# Altium PCB PCB2EPS.PcbDoc (part 1 of 2)
Units mm, origin at the board's own origin, x right, y up, seen from the top; angles counter-clockwise.
Board outline 80 x 80 mm, 2 copper layers (Top Layer, Bottom Layer); 103 components, 76 nets, 428 pads, 277 vias.
Unrouted connection lines stored in the file: 3.
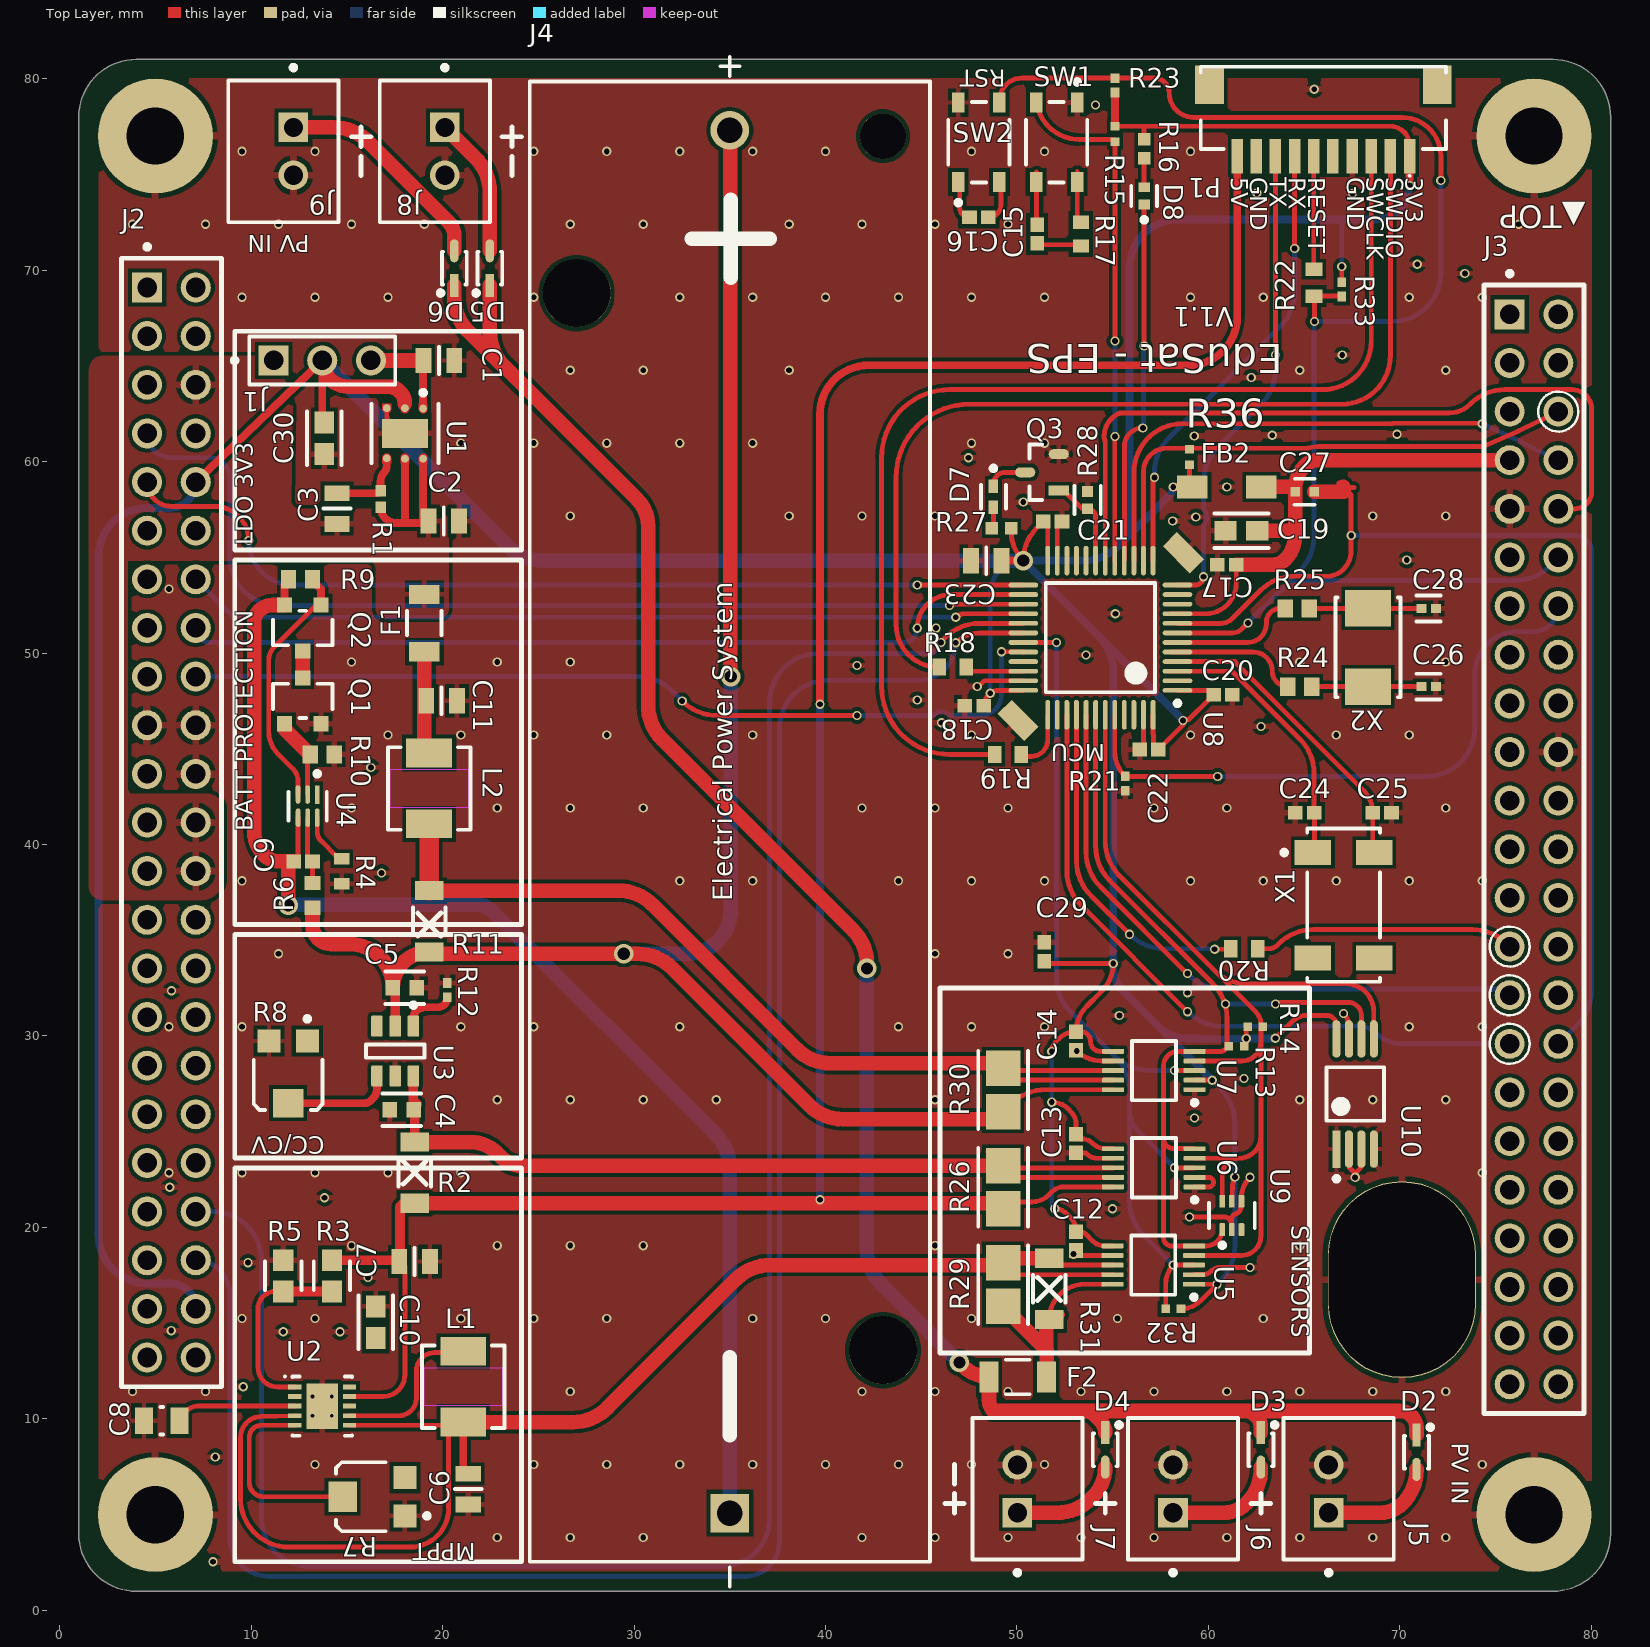
[diagram p0: Top Layer view]
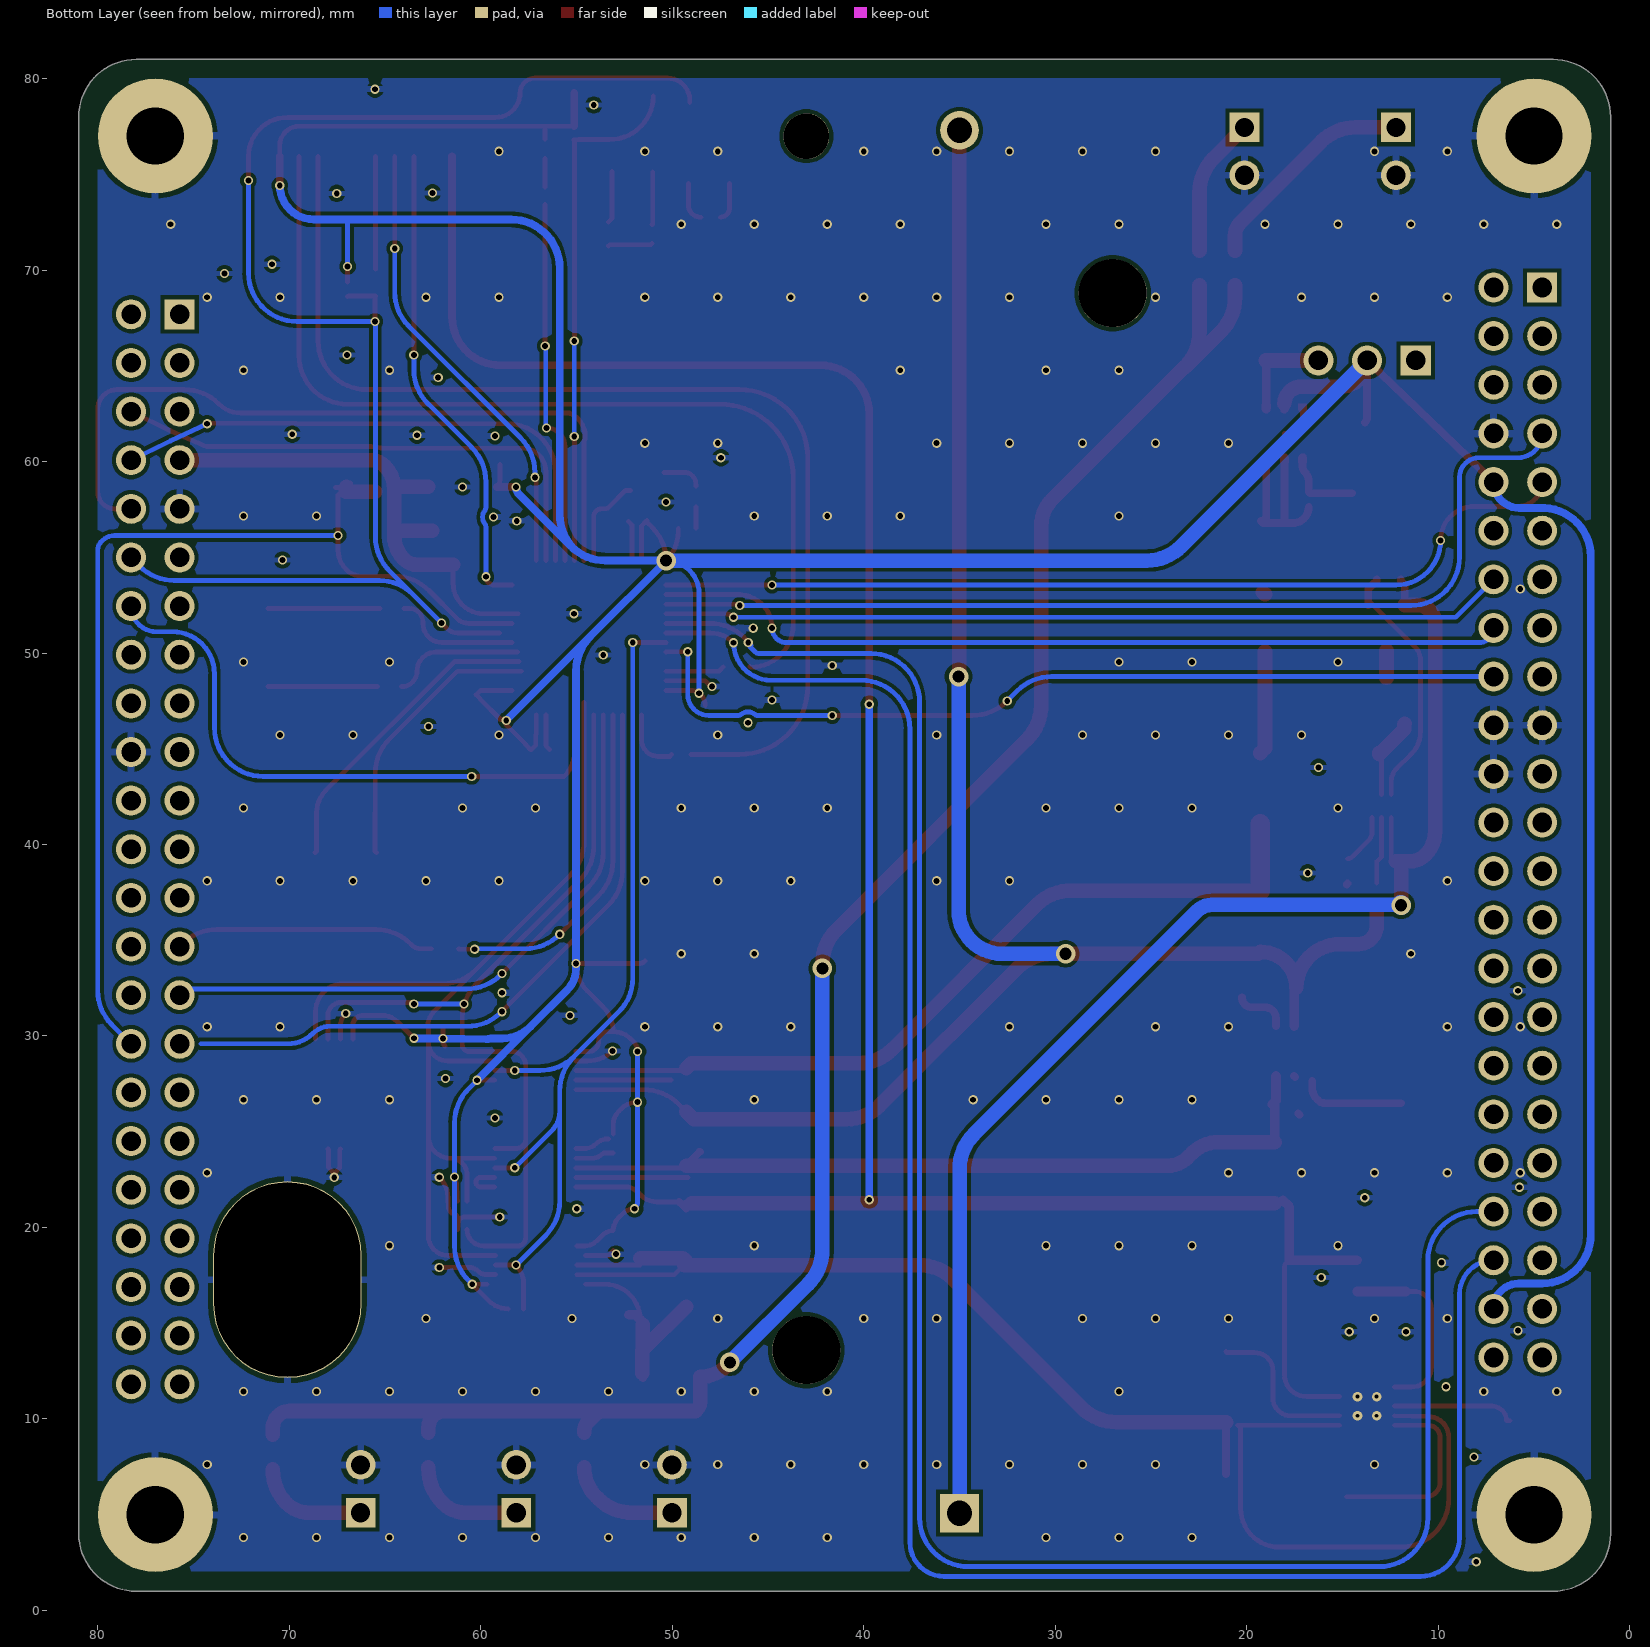
[diagram p1: Bottom Layer view, seen from below]
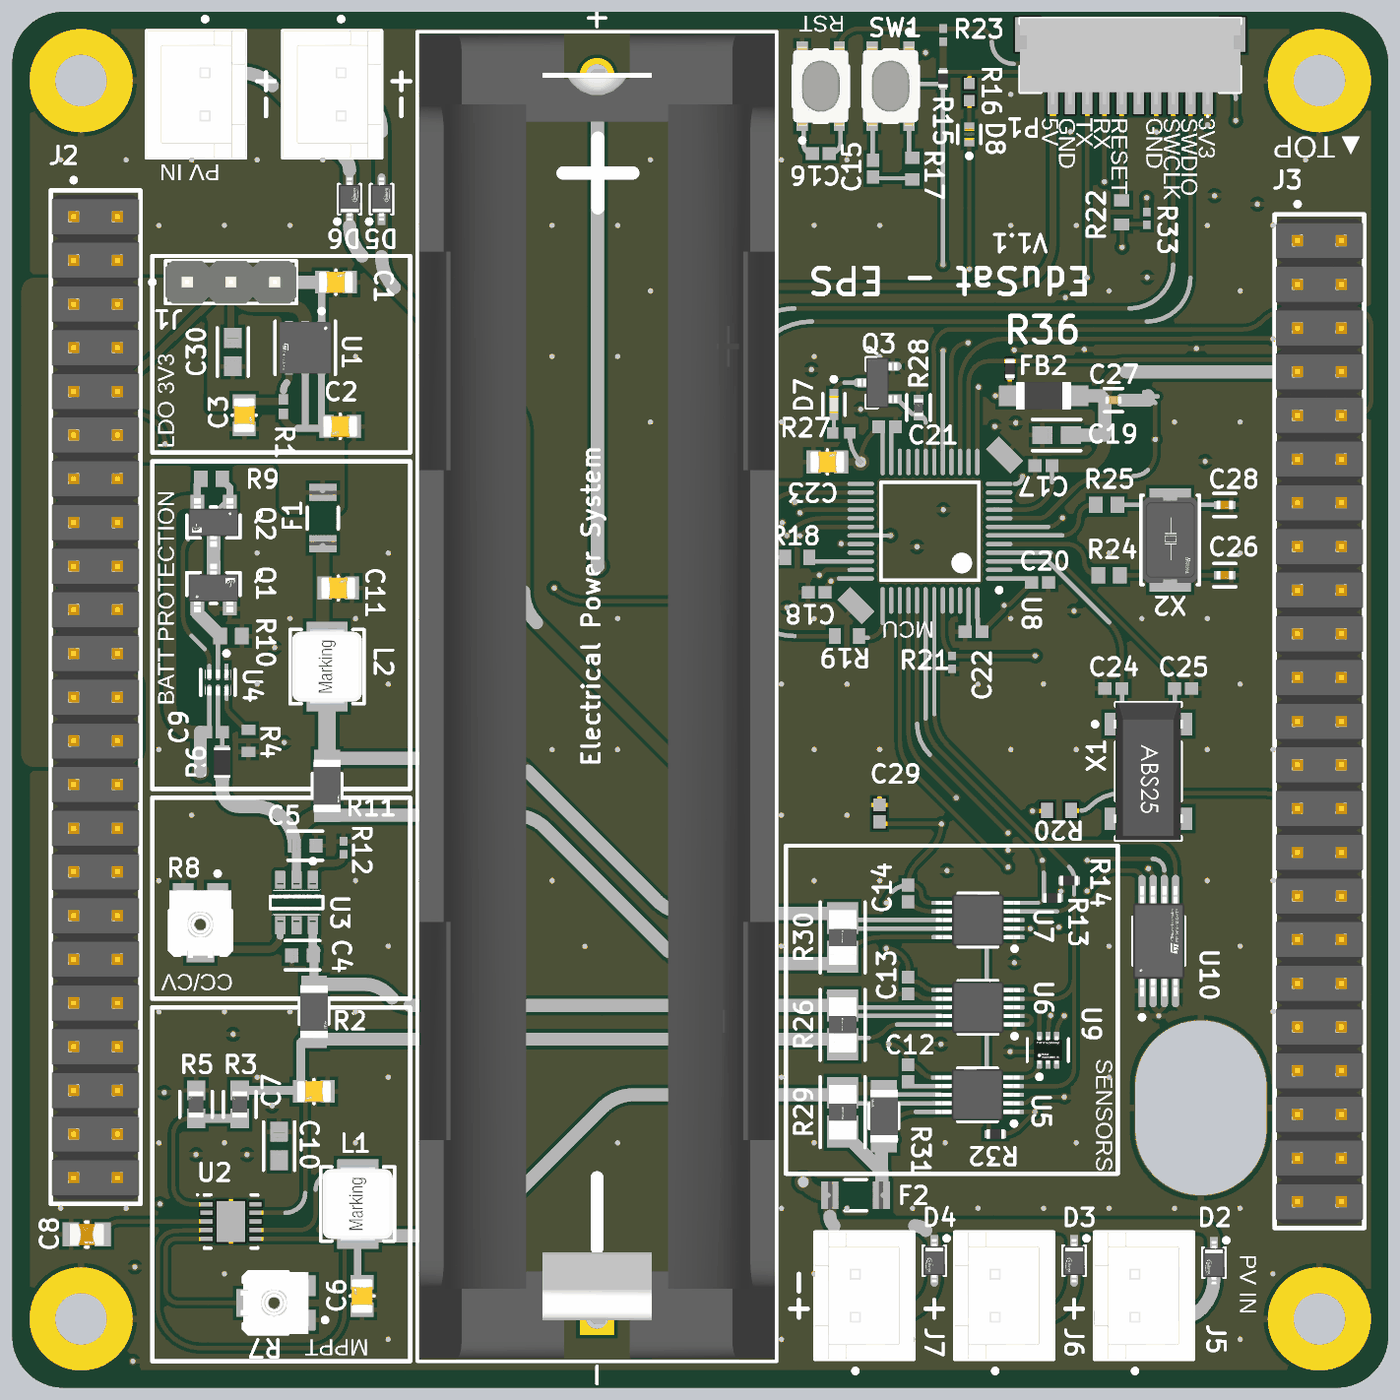
[diagram p3: 3D render of the assembled board from above, using the file's embedded part models]

## Layer stack, top to bottom
Top Solder: solder mask 0.0102, Solder Resist, Dk 3.5
Top Layer: signal copper 0.0356
Dielectric 1: dielectric 0.32, FR-4, Dk 4.8
Bottom Layer: signal copper 0.0356
Bottom Solder: solder mask 0.0102, Solder Resist, Dk 3.5

## Board outline
1,4 1,78 cw(c4,78) 4,81 78,81 cw(c78,78) 81,78 81,4 cw(c78,4) 78,1 4,1 cw(c4,4)

## Design rules (kind name [scope] priority, off if disabled: settings)
AssemblyTestPointUsage [All] p1: isadvanced=TRUE
AssemblyTestpoint [All] p1: isadvanced=TRUE testpointundercomponent=TRUE minsize=1.016 maxsize=2.54 preferedsize=1.524 minholesize=0 maxholesize=1.016 preferedholesize=0.813 testpointgrid=0.025 usegrid=TRUE gridtolerance=0 allowsidetop=TRUE allowsidebottom=TRUE
Clearance Clearance_1 [OnMid vs OnMid] p1: gap=0.203 ignorepadtopadclearanceinfootprint=TRUE sourcerule=44 cellrowname=All cellrowtype=0 cellcolname=All cellcoltype=0 innerlayers=TRUE
Clearance Clearance_2 [(ExistsOnLayer('Top Layer') Or ExistsOnLayer('Bottom Layer')) vs (ExistsOnLayer('Top Layer') Or ExistsOnLayer('Bottom Layer'))] p2: gap=0.203 ignorepadtopadclearanceinfootprint=TRUE sourcerule=44 cellrowname=All cellrowtype=0 cellcolname=All cellcoltype=0 outerlayers=TRUE
Clearance [All] p3: gap=0.254 ignorepadtopadclearanceinfootprint=TRUE ismatrix=TRUE
ComponentClearance [All] p1: isadvanced=TRUE gap=0.254 collisioncheckmode=3 verticalgap=0.254 showdistances=FALSE
DiffPairsRouting "Schematic Differential Pairs Routing" [InDifferentialPairClass('All Differential Pairs')] p1: maxlimit=0.254 minlimit=0.203 mostfreqgap=0.254 toplayer_minwidth=0.254 toplayer_maxwidth=0.381 toplayer_prefwidth=0.381 bottomlayer_minwidth=0.254 bottomlayer_maxwidth=0.381 bottomlayer_prefwidth=0.381 maxuncoupledlength=12.7
DiffPairsRouting [All] p2: maxlimit=0.254 minlimit=0.254 mostfreqgap=0.254 toplayer_minwidth=0.381 toplayer_maxwidth=0.381 toplayer_prefwidth=0.381 bottomlayer_minwidth=0.381 bottomlayer_maxwidth=0.381 bottomlayer_prefwidth=0.381 maxuncoupledlength=12.7
FabricationTestPointUsage [All] p1: isadvanced=TRUE valid=0 allowmultiple=FALSE
FabricationTestpoint [All] p1: isadvanced=TRUE side=3 testpointundercomponent=TRUE minsize=1.016 maxsize=2.54 preferedsize=1.524 minholesize=0 maxholesize=1.016 preferedholesize=0.813 testpointgrid=0.025 allowsidetop=TRUE allowsidebottom=TRUE usegrid=TRUE gridtolerance=0
FanoutControl Fanout_BGA [IsBGA] p1: isadvanced=TRUE bgadir=Out bgaviamode=Centered fanoutstyle=Auto fanoutdirection=Alternating viagrid=0.025 // Fanout_BGA (Default Rule)
FanoutControl Fanout_LCC [IsLCC] p2: isadvanced=TRUE bgadir=Out bgaviamode=Centered fanoutstyle=Auto fanoutdirection=Alternating viagrid=0.025 // Fanout_LCC (Default Rule)
FanoutControl Fanout_SOIC [IsSOIC] p3: isadvanced=TRUE bgadir=Out bgaviamode=Centered fanoutstyle=Auto fanoutdirection=Alternating viagrid=0.025 // Fanout_SOIC (Default Rule)
FanoutControl Fanout_Small [(CompPinCount < 5)] p4: isadvanced=TRUE bgadir=Out bgaviamode=Centered fanoutstyle=Auto fanoutdirection=OutThenIn viagrid=0.025 // Fanout_Small (Default Rule)
FanoutControl Fanout_Default [All] p5: isadvanced=TRUE bgadir=Out bgaviamode=Centered fanoutstyle=Auto fanoutdirection=Alternating viagrid=0.025 // Fanout_Default (Default Rule)
Height [All] p1: isadvanced=TRUE minheight=0 maxheight=25.4 prefheight=12.7
HoleSize [All] p1: isadvanced=TRUE absolutevalues=TRUE maxlimit=12.7 minlimit=0.025 maxpercent=80.000 minpercent=20.000
HoleToHoleClearance [All] p1: isadvanced=TRUE gap=0.254 allowstackedmicrovias=TRUE
LayerPairs [All] p1: isadvanced=TRUE enforce=TRUE
MinimumSolderMaskSliver [All] p1: isadvanced=TRUE minsoldermaskwidth=0.152
NetAntennae [All] p1: isadvanced=TRUE netantennaetolerance=0
PasteMaskExpansion [All] p1: isadvanced=TRUE expansion=0
PlaneClearance [All] p1: isadvanced=TRUE clearance=0.508
PlaneConnect [All] p1: isadvanced=TRUE pad.planeconnectstyle=Relief pad.reliefexpansion=0.508 pad.reliefentries=4 pad.reliefconductorwidth=0.254 pad.reliefairgap=0.254 via.planeconnectstyle=Direct via.reliefexpansion=0.508 via.reliefentries=4 via.reliefconductorwidth=0.254 via.reliefairgap=0.254
PolygonConnect [All] p1: thpad.connectstyle=Relief thpad.reliefconductorwidth=0.381 thpad.reliefentries=4 thpad.polygonreliefangle="90 Angle" thpad.airgapwidth=0.254 smdpad.connectstyle=Relief smdpad.reliefconductorwidth=0.254 smdpad.reliefentries=4 smdpad.polygonreliefangle="90 Angle" smdpad.airgapwidth=0.203 smdpad.conductorbypadedge=TRUE smdpad.mindistance=0.381 smdpad.enablemindistance=FALSE via.connectstyle=Direct via.reliefconductorwidth=0.254 via.reliefentries=4 via.polygonreliefangle="90 Angle" via.airgapwidth=0.254
RoutingCorners [All] p1: isadvanced=TRUE cornerstyle=45-Degree minsetback=2.54 maxsetback=2.54
RoutingPriority [All] p1: isadvanced=TRUE routingpriority=0
RoutingVias [All] p1: holewidth=0.305 width=0.483 viastyle="Through Hole" minholewidth=0.305 minwidth=0.483 maxholewidth=0.305 maxwidth=0.483
ShortCircuit [All] p1: isadvanced=TRUE allowed=FALSE
SilkToSilkClearance [All] p1: isadvanced=TRUE silktosilkclearance=0
SilkToSolderMaskClearance [IsPad] p1: isadvanced=TRUE minsilkscreentomaskgap=0.102 clearancetoexposedcopper=TRUE
SolderMaskExpansion [All] p1: isadvanced=TRUE expansion=0.102 istentingtop=FALSE
SupplyNets "Schematic Supply Nets_4" [InNet('GND')] p1: voltage=0.000
SupplyNets "Schematic Supply Nets_2" [InNet('+5')] p2: voltage=0.000
SupplyNets "Schematic Supply Nets_1" [InNet('BAT_BUS')] p3: isadvanced=TRUE voltage=0.000
SupplyNets "Schematic Supply Nets_5" [InNet('AVDD')] p4: isadvanced=TRUE voltage=0.000
SupplyNets "Schematic Supply Nets_3" [InNet('AGND')] p5: isadvanced=TRUE voltage=0.000
SupplyNets "Schematic Supply Nets" [InNet('VDD')] p6: isadvanced=TRUE voltage=0.000
UnRoutedNet [All] p1: isadvanced=TRUE
UnpouredPolygon [All] p1: isadvanced=TRUE
Width MaxMinWidth_2 [All] p1: isadvanced=TRUE maxlimit=2.54 minlimit=0.254 preferedwidth=0.406 minimp=50.000000 maximp=50.000000 favimp=50.000000
Width [All] p2: maxlimit=2.54 minlimit=0.254 preferedwidth=0.254 minimp=50.000000 maximp=50.000000 favimp=50.000000
3 further rules are at their usual default settings.

## Classes and differential pairs
component class EPS_MCU_446: C15 C16 C17 C18 C19 C20 C21 C22 C23 C24 C25 C26 C27 C28 C29 C30 D7 D8 FB2 P1 Q3 R15 R16 R17 R18 R19 R21 R22 R23 R24 R25 R27 R28 R33 SW1 SW2 U8 U10 X1 X2
component class EPS_Connectors: J2 J3 R20 R36
component class EPS_Power: C1 C2 C3 C4 C5 C6 C7 C8 C9 C10 C11 C12 C13 C14 D2 D3 D4 D5 D6 F1 F2 J1 J4 J5 J6 J7 J8 J9 L1 L2 Q1 Q2 R1 R2 R3 R4 R5 R6 R7 R8 R9 R10 R11 R12 R13 R14 R26 R29 R30 R31 R32 U1 U2 U3 U4 U5 U6 U7 U9

## Components (designator, comment, footprint, x,y, rotation, side; value= is the part's Value field where it differs from the comment)
C1 "10uF" FP-CL21B106KOQNNNG-MFG 19.812,65.278 r0 top locked
C2 "10uF" FP-CL21B106KOQNNNG-MFG 20.066,56.896 r180 top locked
C3 "10uF" FP-CL21B106KOQNNNG-MFG 14.486,57.545 r270 top locked
C4 "1uF" FP-CL10-IPC_C 17.874,26.14 r180 top locked
C5 "1uF" FP-CL10-IPC_C 18.034,32.512 r0 top locked
C6 "10uF" FP-CL21B106KOQNNNG-MFG 21.336,6.334 r90 top
C7 "10uF" FP-CL21B106KOQNNNG-MFG 18.542,18.223 r180 top locked
C8 "4.7uF" FP-CC0805-0_85-MFG 5.334,9.906 r0 top locked value="4.7 uF"
C9 "100 nF" CAPC1050X55X23ML05T13#1 12.718,39.116 r180 top locked
C10 "1uF" FP-CL10-IPC_A#1 16.51,15.051 r270 top locked
C11 "10uF" FP-CL21B106KOQNNNG-MFG 19.95,47.498 r0 top locked
C12 "100 nF" CAPC1050X55X23ML05T13#1 53.086,19.286 r90 top locked
C13 "100 nF" CAPC1050X55X23ML05T13#1 53.086,24.384 r90 top locked
C14 "100 nF" CAPC1050X55X23ML05T13#1 53.086,29.736 r90 top locked
C15 "100nF" CAPC1050X55X23ML05T13#1 51.054,71.882 r270 top locked
C16 "100nF" CAPC1050X55X23ML05T13#1 48.009,72.757 r0 top locked
C17 "100 nF" CAPC1050X55X23ML05T13#1 60.96,54.61 r0 top locked
C18 "100 nF" CAPC1050X55X23ML05T13#1 47.77,47.244 r0 top locked
C19 "1uF" FP-CL10-IPC_A#1 61.722,56.388 r0 top locked
C20 "100 nF" CAPC1050X55X23ML05T13#1 60.755,47.817 r180 top locked
C21 "100 nF" CAPC1050X55X23ML05T13#1 51.862,56.873 r180 top locked
C22 "100 nF" CAPC1050X55X23ML05T13#1 56.896,44.958 r0 top locked
C23 "10uF" FP-CL21B106KOQNNNG-MFG 48.393,54.827 r0 top
C24 "6pF" CAPC1005X55X25ML05T10 65.024,41.656 r180 top locked
C25 "6pF" CAPC1005X55X25ML05T10 69.07,41.656 r0 top locked
C26 "20pF" FP-GCM155-0_05-IPC_C 71.499,48.242 r0 top locked
C27 "100nF" FP-CC0402-MFG 65.024,58.42 r180 top locked value="100 nF"
C28 "20pF" FP-GCM155-0_05-IPC_C 71.499,52.324 r0 top locked
C29 "100 nF" CAPC1050X55X23ML05T13#2 51.425,34.396 r90 top
C30 "2.2uF" FP-CL10-IPC_A#2 13.824,61.214 r270 top
D2 "BAT60AE6327HTSA1" FP-PG-SOD323-2-IPC_C 70.866,8.266 r270 top locked
D3 "BAT60AE6327HTSA1" FP-PG-SOD323-2-IPC_C 62.738,8.382 r270 top locked
D4 "BAT60AE6327HTSA1" FP-PG-SOD323-2-IPC_C 54.61,8.382 r270 top locked
D5 "BAT60AE6327HTSA1" FP-PG-SOD323-2-IPC_C 22.47,70.104 r90 top locked
D6 "BAT60AE6327HTSA1" FP-PG-SOD323-2-IPC_C 20.614,70.104 r90 top locked
D7 "SML-LX0402SUGC-TR" FP-SML-LX0402SUGC-TR-MFG 48.768,58.166 r270 top locked
D8 "SMLP12BC7TT86" FP-SML-P12-MFG 56.642,73.872 r90 top
F1 "MF-NSMF020-2" FP-MF-NSMF020-2-MFG 19.05,51.562 r270 top locked value=0.6-2.6Ω
F2 "MF-NSMF020-2" FP-MF-NSMF020-2-MFG 50.038,12.192 r0 top locked value=0.6-2.6Ω
FB2 "74279221601" WE-MPSB_1206_L3.2W1.6H1.1 60.96,58.674 r0 top locked
J1 "PR20203VBNN" FP-PR20203VBNN-MFG 13.716,65.278 r0 top
J2 "PBC23DAFN" FP-PBC23DAFN-MFG 5.842,41.148 r270 top locked
J3 "PBC23DAFN" FP-PBC23DAFN-MFG 77,39.75 r270 top locked
J4 "1043P" FP-1043P-MFG 35,41.19 r90 top locked
J5 "B2B-XH-A(LF)(SN)" FP-B2B-XH-A_LF_SN-MFG 66.802,6.35 r90 top
J6 "B2B-XH-A(LF)(SN)" FP-B2B-XH-A_LF_SN-MFG 58.674,6.35 r90 top
J7 "B2B-XH-A(LF)(SN)" FP-B2B-XH-A_LF_SN-MFG 50.546,6.35 r90 top
J8 "B2B-XH-A(LF)(SN)" FP-B2B-XH-A_LF_SN-MFG 19.595,76.2 r270 top
J9 "B2B-XH-A(LF)(SN)" FP-B2B-XH-A_LF_SN-MFG 11.684,76.2 r270 top
L1 "10uH" WE-LHMI_4020 21.082,11.684 r90 top locked
L2 "10uH" WE-LHMI_4020 19.304,42.926 r90 top locked
P1 "SM10B-SHLS-TF(LF)(SN)" JST-SM10B-SHLS-TF_V 66,78.471 r180 top locked
Q1 "AO3400A" FP-SOT23-MFG 12.7,47.498 r90 top locked
Q2 "AO3400A" FP-SOT23-MFG 12.7,51.308 r270 top locked
Q3 "BSN20BKR" FP-SOT23-IPC_C 51.308,59.436 r180 top locked
R1 "100k" RESC1005X40X25NL05T10 16.764,58.045 r270 top locked
R2 "Jumper 0ohm" FP-RC1206-MFG 18.542,22.86 r270 top locked value=0Ω
R3 "1020k" FP-CRCW0603-e3-IPC_A 14.224,17.473 r90 top locked
R4 "2.2k" RESC1608X55X25LL10T15 14.732,38.608 r270 top locked
R5 "332k" FP-CRCW0603-e3-IPC_A 11.684,17.473 r90 top locked
R6 "330" RESC1608X55X30LL15T15#1 13.208,37.338 r270 top locked
R7 "TC33X-2-103E" BOUR-TC33X-2_V 16.234,5.934 r180 top
R8 "TC33X-2-103E" BOUR-TC33X-2_V 11.938,27.94 r270 top locked
R9 "5M1" RESC1609X50X30NL10T20 12.583,53.848 r0 top locked
R10 "5M1" RESC1609X50X30NL10T20 13.716,44.704 r180 top locked
R11 "Jumper 0ohm" FP-RC1206-MFG 19.304,35.992 r270 top locked value=0Ω
R12 "10k" RESC1005X40X25LL05T10 20.254,32.393 r90 top locked
R13 "4.7k" RESC1005X40X25LL05T05#1 61.468,29.464 r0 top locked
R14 "4.7k" RESC1005X40X25LL05T05#1 62.444,30.48 r180 top
R15 "4.7k" RESC1005X40X25LL05T05#1 55.118,77.108 r90 top locked
R16 "680R" RESC1005X40X25ML05T05#1 56.642,76.333 r270 top
R17 "100" RESC1608X55X30LL15T15#2 53.34,71.882 r270 top locked
R18 "22" RESC1608X55X25NL10T15#1 46.64,49.276 r0 top
R19 "22" RESC1608X55X25NL10T15#1 49.53,44.704 r0 top locked
R20 "22" RESC1608X55X25NL10T15#2 61.868,34.557 r0 top
R21 "10k" RESC1005X40X25LL05T10 55.646,43.18 r90 top
R22 "22" RESC1608X55X25NL10T15#1 65.507,69.342 r270 top
R23 "10k" RESC1005X40X25LL05T10 55.118,79.648 r90 top locked
R24 "30" RESC1609X50X30NL10T20 64.77,48.242 r0 top locked
R25 "30" RESC1609X50X30NL10T20 64.633,52.324 r0 top locked
R26 "ERJ8CWFR050V" FP-ERJ8CW-IPC_B 49.276,22.098 r270 top locked
R27 "680R" RESC1005X40X25ML05T05#2 49.193,56.513 r180 top
R28 "1M" FP-MCR01-IPC_B 53.692,57.986 r270 top locked
R29 "ERJ8CWFR050V" FP-ERJ8CW-IPC_B 49.276,17.018 r90 top locked
R30 "ERJ8CWFR050V" FP-ERJ8CW-IPC_B 49.276,27.178 r270 top locked
R31 "Jumper 0ohm" FP-RC1206-MFG 51.68,16.789 r90 top locked value=0Ω
R32 "10k" RESC1005X40X25LL05T05#1 58.166,15.748 r180 top locked
R33 "10k" RESC1005X40X25LL05T10 66.96,68.992 r270 top
R36 "10k" RESC1005X40X25LL05T05#2 59.009,60.238 r270 top
SW1 "PTS810SJM250SMTRLFS" FP-PTS810SJM250SMTRLFS-MFG 52.07,76.672 r270 top locked
SW2 "PTS810SJM250SMTRLFS" FP-PTS810SJM250SMTRLFS-MFG 48.009,76.672 r90 top locked
U1 "LD39200PU33R" FP-DFN6-7946637-MFG 18.034,61.468 r270 top locked
U2 "LTC3105EDD#PBF" LT-DD-10_V 13.716,10.668 r0 top